# Altium PCB foxbms2-master.PcbDoc (part 10 of 11)
Units mm, origin at the board's own origin, x right, y up, seen from the top; angles counter-clockwise.
Board outline 200.02 x 144.34 mm, 8 copper layers (Top, Int1 (Sig), Int2 (Gnd), Int3 (Sig), Int4 (Sig), Int5 (Pwr), Int6 (Sig), Bottom), stack 1.636 mm thick; 806 components, 624 nets, 2842 pads, 2610 vias.
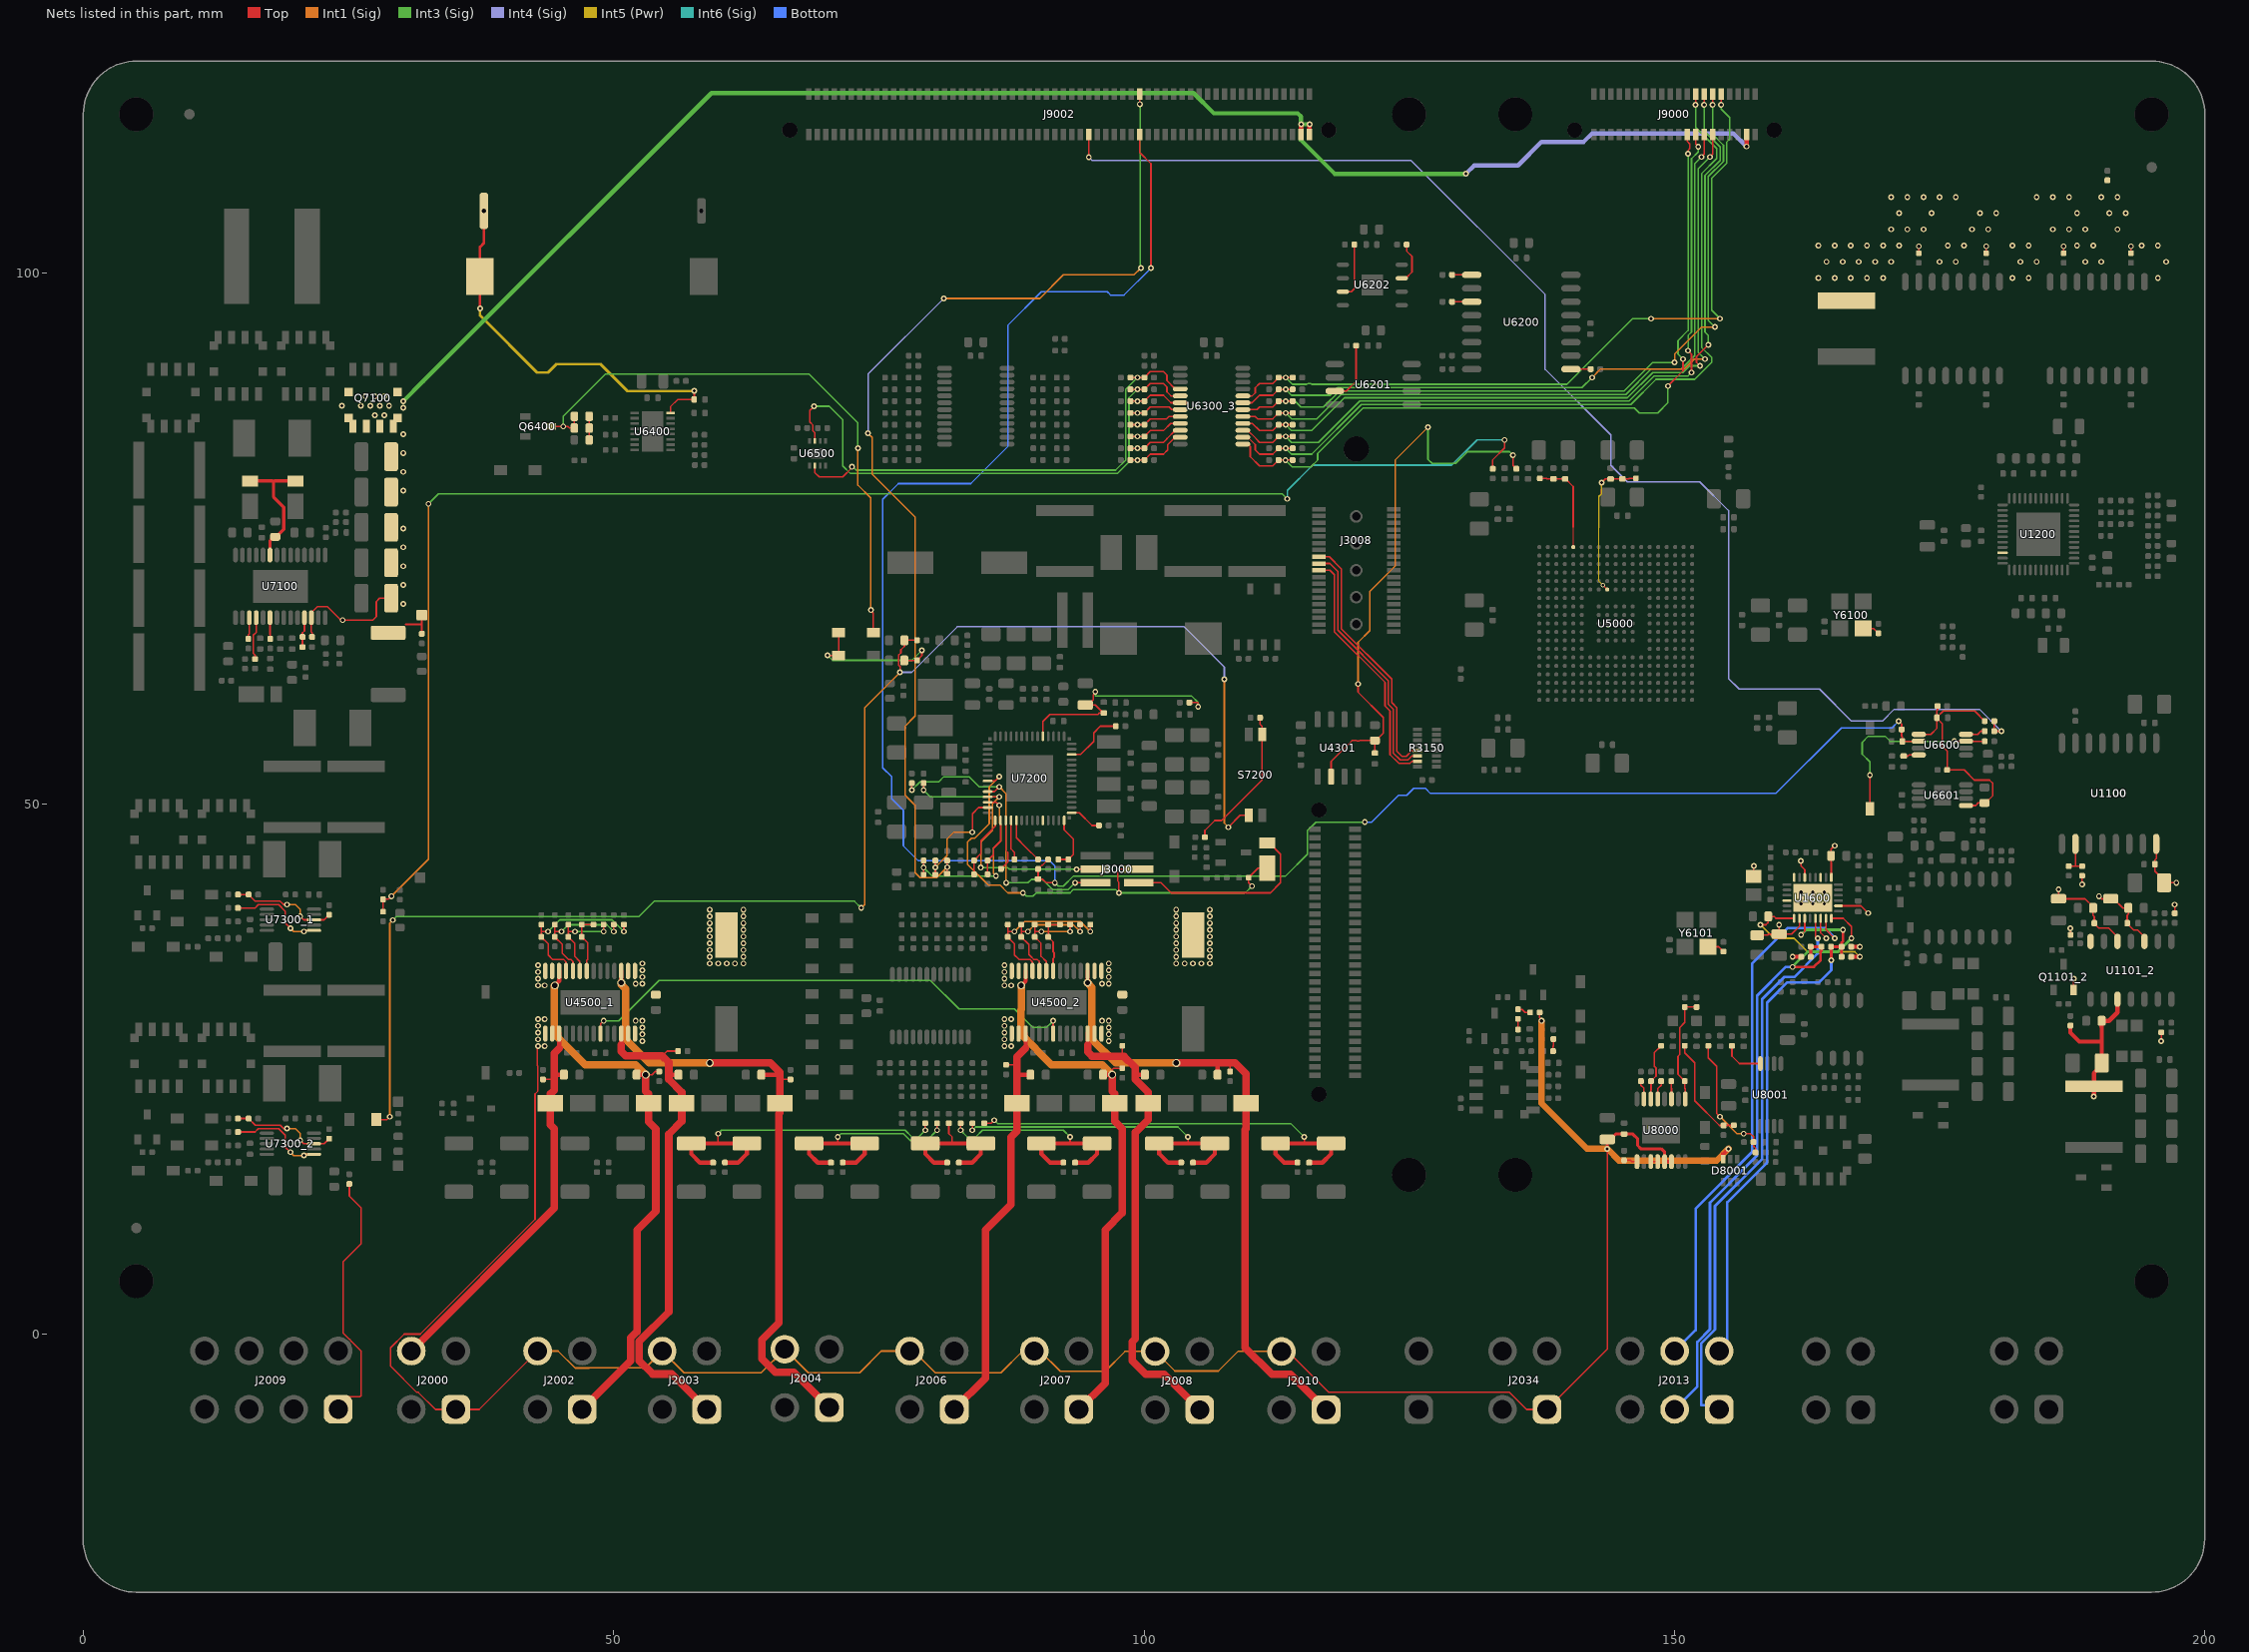
[diagram p16: the nets of this part, all layers, seen from the top]

## Via types
v1: diameter 0.55, hole 0.3, Top to Bottom, 1560 vias
v2: diameter 0.55, hole 0.3, Top to Bottom, tented both sides, 810 vias
v3: diameter 0.45, hole 0.2, Top to Bottom, tented both sides, 169 vias
v4: diameter 0.45, hole 0.2, Top to Bottom, 25 vias
v5: diameter 0.5, hole 0.2, Top to Bottom, 20 vias
v6: diameter 0.75, hole 0.5, Top to Bottom, tented both sides, 17 vias
v7: diameter 0.75, hole 0.5, Top to Bottom, 9 vias

## Nets (pads, with @x,y where several pads share a name; then routed paths per layer and width w, separated by ;. In a path a pad name is that pad's centre, name@x,y a point inside that pad or via, vN(x,y) a via of type N, cw(c..) or ccw(c..) an arc to the next point about the centre after c; other vN are vias at no path point) (continued)
NetR4202_3_1: R4202_3.1 R4203_3.1 R4204_3.2 R4205_3.2 R4206_3.2 | length 33.8
  Top w0.152: 59.849,17.965 v2(59.849,18.891) ; v1(79.375,19.209) R4206_3.2@79.375,19.87
  Top w0.406: R4203_3.1@59.372,16.166 58.129,16.166 57.309,16.986 R4202_3.1@57.309,17.965 59.849,17.965 61.096,17.965 R4204_3.2@62.547,17.965 62.547,16.986 61.728,16.166 R4205_3.2@60.484,16.166
  Int3 (Sig) w0.152: v2(59.849,18.891) 60.166,19.209 77.47,19.209 78.105,18.574 78.74,18.574 v1(79.375,19.209)
NetR4202_4_1: R4202_4.1 R4203_4.1 R4204_4.2 R4205_4.2 R4206_4.2 | length 23.4
  Top w0.152: 71.12,17.965 v2(71.12,18.574) ; v1(80.486,19.209) R4206_4.2@80.486,19.87
  Top w0.406: R4203_4.1@70.485,16.166 69.241,16.166 68.421,16.986 R4202_4.1@68.421,17.965 71.12,17.965 72.208,17.965 R4204_4.2@73.66,17.965 73.66,16.986 72.84,16.166 R4205_4.2@71.596,16.166
  Int3 (Sig) w0.152: v2(71.12,18.574) 71.438,18.891 77.311,18.891 77.946,18.256 79.534,18.256 v1(80.486,19.209)
NetR4202_5_1: R4202_5.1 R4203_5.1 R4204_5.2 R4205_5.2 R4206_5.2 | length 14.1
  Top w0.152: R4206_5.2@81.597,19.87 81.597,18.891 81.915,18.574 81.915,18.002 81.952,17.965
  Top w0.406: R4203_5.1@81.439,16.166 80.195,16.166 79.375,16.986 R4202_5.1@79.375,17.965 81.952,17.965 83.162,17.965 R4204_5.2@84.614,17.965 84.614,16.986 83.794,16.166 R4205_5.2@82.55,16.166
NetR4202_6_1: R4202_6.1 R4203_6.1 R4204_6.2 R4205_6.2 R4206_6.2 | length 24.4
  Top w0.152: v1(82.709,19.209) R4206_6.2@82.709,19.87 ; 93.027,17.965 v1(93.027,18.574)
  Top w0.406: R4203_6.1@92.392,16.166 91.149,16.166 90.329,16.986 R4202_6.1@90.329,17.965 93.027,17.965 94.116,17.965 R4204_6.2@95.567,17.965 95.567,16.986 94.748,16.166 R4205_6.2@93.504,16.166
  Int3 (Sig) w0.152: v1(82.709,19.209) 83.344,18.574 84.138,18.574 84.772,19.209 92.392,19.209 v1(93.027,18.574)
NetR4202_7_1: R4202_7.1 R4203_7.1 R4204_7.2 R4205_7.2 R4206_7.2 | length 34.1
  Top w0.152: v1(83.82,19.209) R4206_7.2@83.82,19.87 ; 104.14,17.965 v1(104.14,18.574)
  Top w0.406: R4203_7.1@103.505,16.166 102.261,16.166 101.441,16.986 R4202_7.1@101.441,17.965 104.14,17.965 105.228,17.965 R4204_7.2@106.68,17.965 106.68,16.986 105.86,16.166 R4205_7.2@104.616,16.166
  Int3 (Sig) w0.152: v1(83.82,19.209) 84.137,19.526 87.312,19.526 103.188,19.526 v1(104.14,18.574)
NetR4202_8_1: R4202_8.1 R4203_8.1 R4204_8.2 R4205_8.2 R4206_8.2 | length 43.6
  Top w0.152: R4206_8.2@84.931,19.87 85.592,19.87 v1(85.884,20.161) ; v1(115.094,18.574) 115.107,18.561 115.107,17.965
  Top w0.406: R4203_8.1@114.459,16.166 113.215,16.166 112.395,16.986 R4202_8.1@112.395,17.965 115.107,17.965 116.182,17.965 R4204_8.2@117.634,17.965 117.634,16.986 116.814,16.166 R4205_8.2@115.57,16.166
  Int3 (Sig) w0.152: v1(85.884,20.161) 86.201,19.844 87.312,19.844 113.824,19.844 v1(115.094,18.574)
NetR4407_1: R4407.1 R4408.2 | length 1.1
  Top w0.152: R4407.1@138.562,26.67 138.562,27.12 138.589,27.146 R4408.2@138.589,27.807
NetR4409_2: R4409.2 R4411.2 | length 1
  Top w0.152: R4409.2@135.255,28.708 R4411.2@135.255,29.712
NetR4410_1: R4410.1 R4411.1 | length 1.3
  Top w0.152: R4411.1@135.255,30.612 135.632,30.612 135.923,30.321 R4410.1@136.393,30.321
NetR4504_1_1: R4504_1.1 R4509_1.2 R4517_1.2 U4500_1.22 | length 5.8
  Top w0.152: U4500_1.22@47.459,34.224 47.459,35.235 47.544,35.321 47.544,36.884 R4509_1.2@46.99,37.439 R4504_1.1@46.99,38.603 47.367,38.603 R4517_1.2@48.101,38.602
NetR4504_2_1: R4504_2.1 R4509_2.2 R4517_2.2 U4500_2.22 | length 5.8
  Top w0.152: U4500_2.22@91.432,34.224 91.432,35.403 91.518,35.489 91.518,35.948 91.432,36.034 91.432,36.97 R4509_2.2@90.964,37.439 R4504_2.1@90.964,38.603 91.34,38.603 R4517_2.2@92.075,38.602
NetR4505_1_1: R4505_1.1 R4510_1.2 R4516_1.2 U4500_1.23 | length 8.8
  Top w0.152: R4505_1.1@45.72,38.603 45.72,37.945 ; v1(46.355,37.941) 45.723,37.941 45.72,37.945 ; U4500_1.23@46.809,34.224 46.809,35.116 46.316,35.608 46.316,36.842 R4510_1.2@45.72,37.439 45.72,37.945 ; v1(49.054,37.941) R4516_1.2@49.054,38.602
  Int3 (Sig) w0.152: v1(46.355,37.941) v1(49.054,37.941)
NetR4505_2_1: R4505_2.1 R4510_2.2 R4516_2.2 U4500_2.23 | length 8.8
  Top w0.152: R4505_2.1@89.694,38.603 89.694,37.939 ; v1(90.329,37.941) 89.696,37.941 89.694,37.939 ; U4500_2.23@90.782,34.224 90.783,35.116 90.29,35.608 90.29,36.842 R4510_2.2@89.694,37.439 89.694,37.939 ; v1(93.027,37.941) R4516_2.2@93.027,38.602
  Int1 (Sig) w0.152: v1(90.329,37.941) v1(93.027,37.941)
NetR4506_1_1: R4506_1.1 R4511_1.2 R4515_1.2 U4500_1.24 | length 12
  Top w0.152: R4506_1.1@44.45,38.603 44.45,37.945 ; v1(45.085,37.941) 44.453,37.941 44.45,37.945 ; U4500_1.24@46.159,34.224 46.159,35.114 45.95,35.323 45.709,35.323 45.166,35.867 45.166,36.723 R4511_1.2@44.45,37.439 44.45,37.945 ; v1(50.006,37.941) R4515_1.2@50.006,38.602
  Int3 (Sig) w0.152: v1(45.085,37.941) 45.72,38.576 49.371,38.576 v1(50.006,37.941)
NetR4506_2_1: R4506_2.1 R4511_2.2 R4515_2.2 U4500_2.24 | length 12
  Top w0.152: R4506_2.1@88.424,38.603 88.424,37.947 ; v1(89.059,37.941) 88.43,37.941 88.424,37.947 ; U4500_2.24@90.132,34.224 90.132,35.114 89.923,35.323 89.597,35.323 89.343,35.577 89.339,35.577 89.139,35.777 89.139,36.723 R4511_2.2@88.424,37.439 88.424,37.947 ; v1(93.98,37.941) R4515_2.2@93.98,38.602
  Int1 (Sig) w0.152: v1(89.059,37.941) 89.694,38.576 93.345,38.576 v1(93.98,37.941)
NetR4507_1_1: R4507_1.1 R4512_1.2 R4514_1.2 U4500_1.25 | length 15.3
  Top w0.152: R4507_1.1@43.18,38.603 43.18,37.941 ; v1(43.815,37.941) 43.18,37.941 ; U4500_1.25@45.509,34.224 45.509,35.077 45.262,35.323 44.22,35.323 43.821,35.723 43.821,36.798 R4512_1.2@43.18,37.439 43.18,37.941 ; v1(50.959,37.941) R4514_1.2@50.959,38.602
  Int3 (Sig) w0.152: v1(43.815,37.941) 44.926,39.052 49.847,39.052 v1(50.959,37.941)
NetR4507_2_1: R4507_2.1 R4512_2.2 R4514_2.2 U4500_2.25 | length 15.2
  Top w0.152: R4507_2.1@87.154,38.603 87.154,37.941 ; v1(87.789,37.941) 87.154,37.941 ; U4500_2.25@89.482,34.224 89.482,35.079 89.238,35.323 88.194,35.323 87.795,35.723 87.795,36.798 R4512_2.2@87.154,37.439 87.154,37.941 ; v1(94.932,37.941) R4514_2.2@94.932,38.602
  Int1 (Sig) w0.152: v1(87.789,37.941) 88.741,38.894 93.98,38.894 v1(94.932,37.941)
NetR6100_2: R6100.2 Y6100.1 | length 1.6
  Top w0.152: Y6100.1@167.788,66.516 168.777,66.516 R6100.2@169.227,66.066
NetR6101_2: R6101.2 Y6101.1 | length 1.6
  Top w0.152: Y6101.1@153.183,36.512 154.172,36.512 R6101.2@154.623,36.062
NetR6202_1: R6202.1 U6200.1 | length 1.9
  Top w0.152: R6202.1@129.037,99.854 U6200.1@130.898,99.854
NetR6203_1: R6203.1 U6200.9 | length 1.9
  Top w0.152: U6200.9@140.247,90.964 R6203.1@142.108,90.964
NetR6204_1: R6204.1 U6200.3 | length 1.9
  Top w0.152: R6204.1@129.037,97.314 U6200.3@130.898,97.314
NetR6205_1: R6205.1 U6201.3 | length 5.8
  Top w0.152: U6201.3@117.978,88.9 119.062,88.9 119.989,89.826 R6205.1@119.989,93.186
NetR6206_1: R6206.1 U6202.3 | length 5.4
  Top w0.152: U6202.3@118.745,98.266 119.539,98.266 119.83,98.557 R6206.1@119.83,102.711
NetR6207_1: R6207.1 U6202.7 | length 4
  Top w0.152: U6202.7@124.295,99.536 124.67,99.536 125.254,100.12 125.254,101.6 124.751,102.103 R6207.1@124.751,102.711
NetR6402_1: R6402.1 R6412.2 R6413.2 | length 2.2
  Top w0.152: R6402.1@47.69,84.296 47.69,85.967 R6412.2@47.69,86.519
NetR6602_1: R6602.1 U6600.8 | length 1.9
  Top w0.152: U6600.8@177.485,56.537 178.583,56.537 178.878,56.832 R6602.1@179.255,56.832
NetR6603_1: R6603.1 S6600.1 U6600.7 | length 18.6
  Top w0.152: S6600.1@168.434,49.53 v2(168.434,52.705) ; v2(176.379,55.887) U6600.7@177.485,55.887 178.262,55.887 178.269,55.88 R6603.1@179.255,55.88
  Int3 (Sig) w0.152: v2(168.434,52.705) 168.434,53.933 167.703,54.664 167.703,55.784 168.275,56.356 169.862,56.356 170.331,55.887 v2(176.379,55.887) v2@176.371,55.88
NetR7006_1: R7006.1 R7007.1 R7008.2 | length 148.5
  Top w0.152: R7008.2@28.258,39.82 R7006.1@28.258,40.984 28.76,40.984 v1(29.051,41.275) ; R7007.1@132.874,81.571 132.874,82.421 133.985,83.533 v1(133.985,84.296)
  Int3 (Sig) w0.152: v1(32.544,78.264) 33.496,79.216 113.03,79.216 v1(113.506,78.74)
  Int1 (Sig) w0.152: v1(29.051,41.275) 32.544,44.768 v1(32.544,78.264)
  Int6 (Sig) w0.152: v1(113.506,78.74) 113.506,79.534 115.887,81.915 129.01,81.915 131.391,84.296 v1(133.985,84.296)
NetR7103_1: R7103.1 U7100.3 | length 2
  Top w0.152: R7103.1@15.557,65.537 15.557,65.914 15.649,66.005 U7100.3@15.649,67.535
NetR7110_2: R7110.2 U7100.4 | length 4.1
  Top w0.152: R7110.2@16.192,63.633 16.192,64.009 16.034,64.168 16.034,65.881 16.299,66.146 U7100.4@16.299,67.535
NetR7111_2: R7111.2 U7100.6 | length 1.7
  Top w0.152: U7100.6@17.599,67.218 17.599,65.937 17.621,65.914 R7111.2@17.621,65.538
NetR7112_2: R7112.2 R7113.2 U7100.11 | length 2.8
  Top w0.152: R7113.2@20.664,64.77 R7112.2@20.664,65.722 20.664,66.099 20.849,66.284 U7100.11@20.849,67.535
NetR7207_2: R7207.2 R7247.2 U7200.28 | length 5.2
  Top w0.152: R7207.2@91.916,44.741 R7247.2@92.869,44.741 93.345,45.218 93.345,46.672 92.468,47.55 U7200.28@92.468,48.425
NetR7219_2: R7219.2 R7230.1 S7200.3 | length 14
  Top w0.152: R7219.2@105.727,46.831 105.727,47.466 106.677,48.415 107.312,48.415 111.125,52.229 S7200.3@111.125,56.515 111.125,57.309 110.94,57.494 R7230.1@110.94,58.102
NetR7239_2: R7239.2 U7200.40 | length 5.7
  Top w0.152: U7200.40@93.18,54.638 94.008,54.638 95.25,55.88 95.25,56.674 95.885,57.309 R7239.2@97.34,57.309
NetR7244_1: R7244.1 U7200.29 | length 3.1
  Top w0.152: U7200.29@93.18,49.137 93.896,49.137 95.091,47.942 R7244.1@95.753,47.942
NetR7248_2: R7248.2 U7200.19 | length 4.5
  Top w0.152: U7200.19@87.967,48.425 87.967,46.785 88.874,45.879 R7248.2@90.011,44.741
NetR7249_1: R7249.1 U7200.18 | length 3.8
  Top w0.152: U7200.18@87.468,48.425 87.468,45.724 87.789,45.402 R7249.1@87.789,44.741
NetR7303_1_1: R7303_1.1 R7304_1.1 R7306_1.2 U7300_1.3 | length 10.3
  Top w0.152: R7304_1.1@14.579,41.434 R7303_1.1@15.584,41.434 16.219,40.799 18.574,40.799 18.891,40.481 v2(19.209,40.481) ; v2@20.593,39.37 v2(20.456,39.37) 20.774,39.052 U7300_1.3@21.751,39.052 22.701,39.052 R7306_1.2@23.177,39.529
  Int1 (Sig) w0.152: v2(19.209,40.481) 20.002,40.481 20.456,40.027 v2(20.456,39.37)
NetR7303_2_1: R7303_2.1 R7304_2.1 R7306_2.2 U7300_2.3 | length 10.3
  Top w0.152: R7304_2.1@14.579,20.32 R7303_2.1@15.584,20.32 16.219,19.685 18.574,19.685 18.891,19.367 v2(19.209,19.367) ; v2@20.593,18.256 v2(20.456,18.256) 20.774,17.939 U7300_2.3@21.751,17.939 22.701,17.939 R7306_2.2@23.177,18.415
  Int1 (Sig) w0.152: v2(19.209,19.367) 20.002,19.367 20.456,18.914 v2(20.456,18.256)
NetR7307_1_1: R7307_1.1 U7300_1.1 | length 9.1
  Top w0.152: R7307_1.1@14.579,40.164 16.192,40.164 16.51,40.481 18.415,40.481 19.05,39.846 19.05,38.735 v2(19.526,38.259) ; v2(20.796,37.941) 20.907,38.052 U7300_1.1@21.751,38.052
  Int1 (Sig) w0.152: v2(19.526,38.259) 19.844,37.941 v2(20.796,37.941)
NetR7307_2_1: R7307_2.1 U7300_2.1 | length 9.1
  Top w0.152: R7307_2.1@14.579,19.05 16.192,19.05 16.51,19.367 18.415,19.367 19.05,18.732 19.05,17.621 v2(19.526,17.145) ; v2(20.796,16.828) 20.907,16.939 U7300_2.1@21.751,16.939
  Int1 (Sig) w0.152: v2(19.526,17.145) 19.844,16.828 v2(20.796,16.828)
NetR8001_2: R8001.2 R8002.1 R8004.2 | length 10.3
  Top w0.152: R8001.2@150.971,27.172 150.971,26.511 151.924,25.559 151.924,21.981 154.246,19.659 R8002.1@154.623,19.659 154.999,19.659 155.025,19.685 R8004.2@155.601,19.685 R8004.2@155.575,19.659
NetR8003_1: R8003.1 R8026.2 R8027.2 U8000.1 | length 10.3
  Top w0.152: U8000.1@151.024,22.159 151.024,23.125 150.971,23.177 R8003.1@150.971,23.839 150.336,24.474 150.336,26.194 150.495,26.352 150.495,28.892 150.971,29.369 R8027.2@150.971,30.824 R8026.2@152.082,30.824
NetR8005_1: R8005.1 U8000.3 | length 1.7
  Top w0.152: R8005.1@149.701,23.839 149.701,23.177 149.724,23.155 U8000.3@149.724,22.159
NetR8006_2: R8006.2 R8012.1 U8000.6 | length 5.5
  Top w0.152: U8000.6@147.774,22.159 147.774,22.96 147.796,22.983 R8012.1@147.796,23.839 148.273,24.315 148.273,25.092 148.114,25.251 148.114,26.537 R8006.2@148.749,27.172
NetR8007_1: R8007.1 U8000.5 | length 1.8
  Top w0.152: U8000.5@148.424,22.159 148.424,23.137 148.749,23.462 R8007.1@148.749,23.839
NetR8008_1: R8008.1 U8000.9 | length 1.3
  Top w0.152: R8008.1@145.256,16.378 145.891,16.378 146.01,16.259 U8000.9@146.474,16.259
NetR8009_2: R8009.2 R8010.1 R8013.2 | length 12.8
  Top w0.152: R8009.2@153.194,27.172 153.194,26.035 153.987,25.241 153.987,20.796 v2(154.305,20.479) v2@154.464,20.479 ; v2(156.528,18.891) 157.162,18.891 157.454,18.6 R8013.2@157.454,18.098 157.454,17.721 157.639,17.536 R8010.1@157.639,17.119
  Int1 (Sig) w0.152: v2(154.305,20.479) 155.892,18.891 v2(156.528,18.891)
NetR8011_1: R8011.1 U8000.7 | length 1.8
  Top w0.152: R8011.1@146.844,23.839 146.844,23.462 147.124,23.182 U8000.7@147.124,22.159
NetR8015_2: R8015.2 U8001.8 | length 3.9
  Top w0.152: R8015.2@155.416,27.172 155.416,26.194 156.117,25.493 U8001.8@158.093,25.493
NetU1101_2_7: U1101_2.7
NetU1200_22: U1200.22
NetU1600_3: U1600.3
NetU1600_8: U1600.8
NetU4500_2_7: U4500_1.9 U4500_2.7 | length 48.6
  Top w0.152: U4500_1.9@48.759,28.324 48.759,29.232 v2(49.054,29.527) ; U4500_2.7@91.432,28.324 v2@91.432,29.52
  Int3 (Sig) w0.152: v2(49.054,29.527) 50.482,29.527 54.292,33.337 79.851,33.337 82.55,30.639 87.789,30.639 89.535,28.892 90.805,28.892 v2(91.44,29.527)
NetU7200_24: U7200.24
NetU8000_11: U8000.11 U8000.12 | length 0.7
  Top w0.152: U8000.11@147.774,16.259 U8000.12@148.424,16.259
PER_IO.\RTC_INTA_HV_1: D6400.2 Q6400.D R6412.1 R6413.1 | length 56
  Top w0.152: Q6400.D@44.063,85.566 v2(45.244,85.566) 45.68,85.566 45.838,85.407 R6413.1@46.29,85.407 R6412.1@46.29,86.519 ; v1(74.243,68.252) 74.243,68.199 74.477,67.964 D6400.2@74.477,66.14
  Int3 (Sig) w0.152: v2(45.244,85.566) 45.244,86.519 49.212,90.487 68.421,90.487 73.025,85.884 v1(73.025,83.502)
  Int1 (Sig) w0.152: v1(73.025,83.502) 73.025,80.037 74.243,78.819 v1(74.243,68.252)
PER_IO.\SE_RESET_1: R6302_3.1 R6320_3.2 U6300_3.4 U6500.6 | length 45.3
  Top w0.152: U6500.6@68.965,81.856 68.965,81.212 69.374,80.804 71.596,80.804 72.471,81.678 v1(72.471,81.756) ; R6320_3.2@98.716,90.17 v2(99.378,90.17) R6302_3.1@100.039,90.17 100.593,90.724 101.83,90.724 102.154,90.4 102.154,89.879 102.938,89.096 U6300_3.4@103.413,89.096
  Int3 (Sig) w0.152: v1(72.471,81.756) 72.549,81.756 72.866,81.439 97.314,81.439 98.266,82.391 98.266,89.059 v2(99.378,90.17)
  Bottom w0.152: v2(99.378,90.17) v2@99.409,90.17
PER_IO.\WW_ENABLE_1: J9002.68 R6600.1 R6602.2 | length 128.2
  Top w0.152: v1(94.793,110.947) 94.793,112.441 94.8,112.448 J9002.68@94.8,113.1 ; R6600.1@180.155,57.785 180.155,57.209 R6602.2@180.155,56.832 v2(180.816,56.832)
  Int4 (Sig) w0.152: v1(94.793,110.947) 95.091,110.649 125.163,110.649 137.814,97.997 137.814,90.944 144.006,84.753 144.006,81.896 145.554,80.347 152.381,80.347 155.099,77.629 155.099,61.793 156.09,60.801 163.681,60.801 166.697,57.785 169.61,57.785 170.721,58.896 178.752,58.896 v2(180.816,56.832)
PER_IO.\WW_RESETIN_1: C6604.2 C7236.2 J9002.80 R6605.1 R7240.1 R7248.1 U6600.2 | length 199.9
  Top w0.152: R7240.1@90.964,44.741 90.44,44.218 90.388,44.218 R7248.1@90.011,43.841 C7236.2@90.011,42.896 90.423,42.896 90.774,42.545 v2(91.599,42.545) ; J9002.80@99.6,113.1 99.6,111.379 100.647,110.331 v1(100.647,100.489) ; v1(171.132,57.785) 171.424,57.494 R6605.1@171.424,56.991 171.424,56.352 171.484,56.292 C6604.2@171.484,55.88 172.251,55.88 172.258,55.887 U6600.2@173.035,55.887
  Int3 (Sig) w0.152: v2(91.599,42.545) 91.916,42.227 92.402,42.227 93.355,43.18 113.347,43.18 115.411,45.244 115.411,47.466 116.205,48.26 v1(120.809,48.26)
  Bottom w0.152: v2(91.599,42.545) 91.599,44.133 91.123,44.609 78.722,44.609 77.311,46.02 77.311,49.371 76.2,50.482 76.2,52.546 75.357,53.389 75.357,78.691 76.835,80.169 83.661,80.169 87.154,83.661 87.154,95.091 90.329,98.266 96.52,98.266 96.837,97.949 98.108,97.949 v1(100.647,100.489) ; v1(120.809,48.26) 121.444,48.26 123.984,50.8 124.777,50.8 125.412,51.435 126.524,51.435 127,50.959 159.544,50.959 165.735,57.15 170.498,57.15 v1(171.132,57.785)
PER_IO.PE_IO3.IO0_1_1: R6303_3.1 R6321_3.2 U6300_3.5 U6500.3 | length 51.8
  Top w0.152: v1(68.897,87.471) 68.502,87.076 68.502,85.972 68.788,85.685 68.788,85.139 68.965,84.963 U6500.3@68.965,84.196 ; R6321_3.2@98.716,89.059 v2(99.378,89.059) R6303_3.1@100.039,89.059 100.593,89.613 101.83,89.613 102.154,89.288 102.154,88.822 102.53,88.446 U6300_3.5@103.413,88.446
  Int3 (Sig) w0.152: v1(68.897,87.471) 70.326,87.471 71.596,86.201 71.596,81.847 72.322,81.121 97.472,81.121 98.584,82.233 98.584,88.265 v2(99.378,89.059)
PER_IO.PE_IO3.IO0_2_1: R6304_3.1 R6322_3.2 U6300_3.6 | length 5.2
  Top w0.152: R6322_3.2@98.716,87.947 v2(99.378,87.947) R6304_3.1@100.039,87.947 100.593,88.502 101.83,88.502 102.535,87.796 U6300_3.6@103.413,87.796
PER_IO.PE_IO3.IO0_3_1: R6305_3.1 R6323_3.2 U6300_3.7 | length 5
  Top w0.152: R6323_3.2@98.716,86.836 v2(99.378,86.836) R6305_3.1@100.039,86.836 100.593,87.391 102.367,87.391 102.611,87.146 U6300_3.7@103.413,87.146
PER_IO.PE_IO3.IO0_4_1: R6306_3.1 R6324_3.2 U6300_3.8 | length 5
  Top w0.152: R6324_3.2@98.716,85.725 v2(99.378,85.725) R6306_3.1@100.039,85.725 100.593,86.279 102.119,86.279 102.336,86.496 U6300_3.8@103.413,86.496
PER_IO.PE_IO3.IO0_5_1: R6307_3.1 R6325_3.2 U6300_3.9 | length 5.2
  Top w0.152: R6325_3.2@98.716,84.614 v2(99.378,84.614) R6307_3.1@100.039,84.614 100.593,85.168 101.827,85.168 102.505,85.846 U6300_3.9@103.413,85.846
PER_IO.PE_IO3.IO0_6_1: R6308_3.1 R6326_3.2 U6300_3.10 | length 5.4
  Top w0.152: R6326_3.2@98.716,83.502 v2(99.378,83.502) R6308_3.1@100.039,83.502 100.593,84.057 101.827,84.057 102.154,84.384 102.154,84.413 102.938,85.196 U6300_3.10@103.413,85.196
PER_IO.PE_IO3.IO0_7_1: R6309_3.1 R6327_3.2 U6300_3.11 | length 5.9
  Top w0.152: R6327_3.2@98.716,82.391 v2(99.378,82.391) R6309_3.1@100.039,82.391 100.593,82.946 101.827,82.946 102.235,83.353 102.235,83.844 102.938,84.546 U6300_3.11@103.413,84.546
PER_IO.PE_IO3.IO1_0_1: J9000.24 R6310_3.1 R6328_3.2 U6300_3.13 | length 72.6
  Top w0.152: U6300_3.13@109.313,83.896 109.788,83.896 110.018,83.665 110.018,82.714 110.895,81.837 112.132,81.837 R6310_3.1@112.686,82.391 v2(113.334,82.391) R6328_3.2@113.983,82.391 ; v1(149.384,89.376) 150.812,90.805 v1(150.812,91.916) ; J9000.24@151.2,113.1 151.2,112.448 151.447,112.201 151.447,111.77 151.289,111.611 v1(151.289,111.284)
  Int3 (Sig) w0.152: v2(113.334,82.391) 113.969,81.756 115.729,81.756 116.364,82.391 116.364,83.026 120.65,87.312 146.209,87.312 146.685,86.836 148.431,86.836 149.384,87.789 v1(149.384,89.376) ; v1(150.812,91.916) 150.336,92.392 150.336,93.662 151.289,94.615 v1(151.289,111.284)
PER_IO.PE_IO3.IO1_1_1: J9000.25 R6311_3.1 R6329_3.2 U6300_3.14 | length 77
  Top w0.152: U6300_3.14@109.313,84.546 109.788,84.546 110.49,83.844 110.49,83.353 110.895,82.948 112.132,82.948 R6311_3.1@112.686,83.502 v2(113.347,83.502) R6329_3.2@114.009,83.502 ; v1(152,115.887) J9000.25@152,116.9
  Int3 (Sig) w0.152: v2(113.347,83.502) 113.904,82.946 115.57,82.946 115.572,82.948 115.8,82.948 120.482,87.63 145.891,87.63 148.273,90.011 151.924,90.011 153.511,91.599 153.511,92.075 152.559,93.027 152.559,109.388 153.987,110.816 153.987,111.76 152,113.747 v1(152,115.887)